# KiCad board safeproject-panel-r2.kicad_pcb (continued)
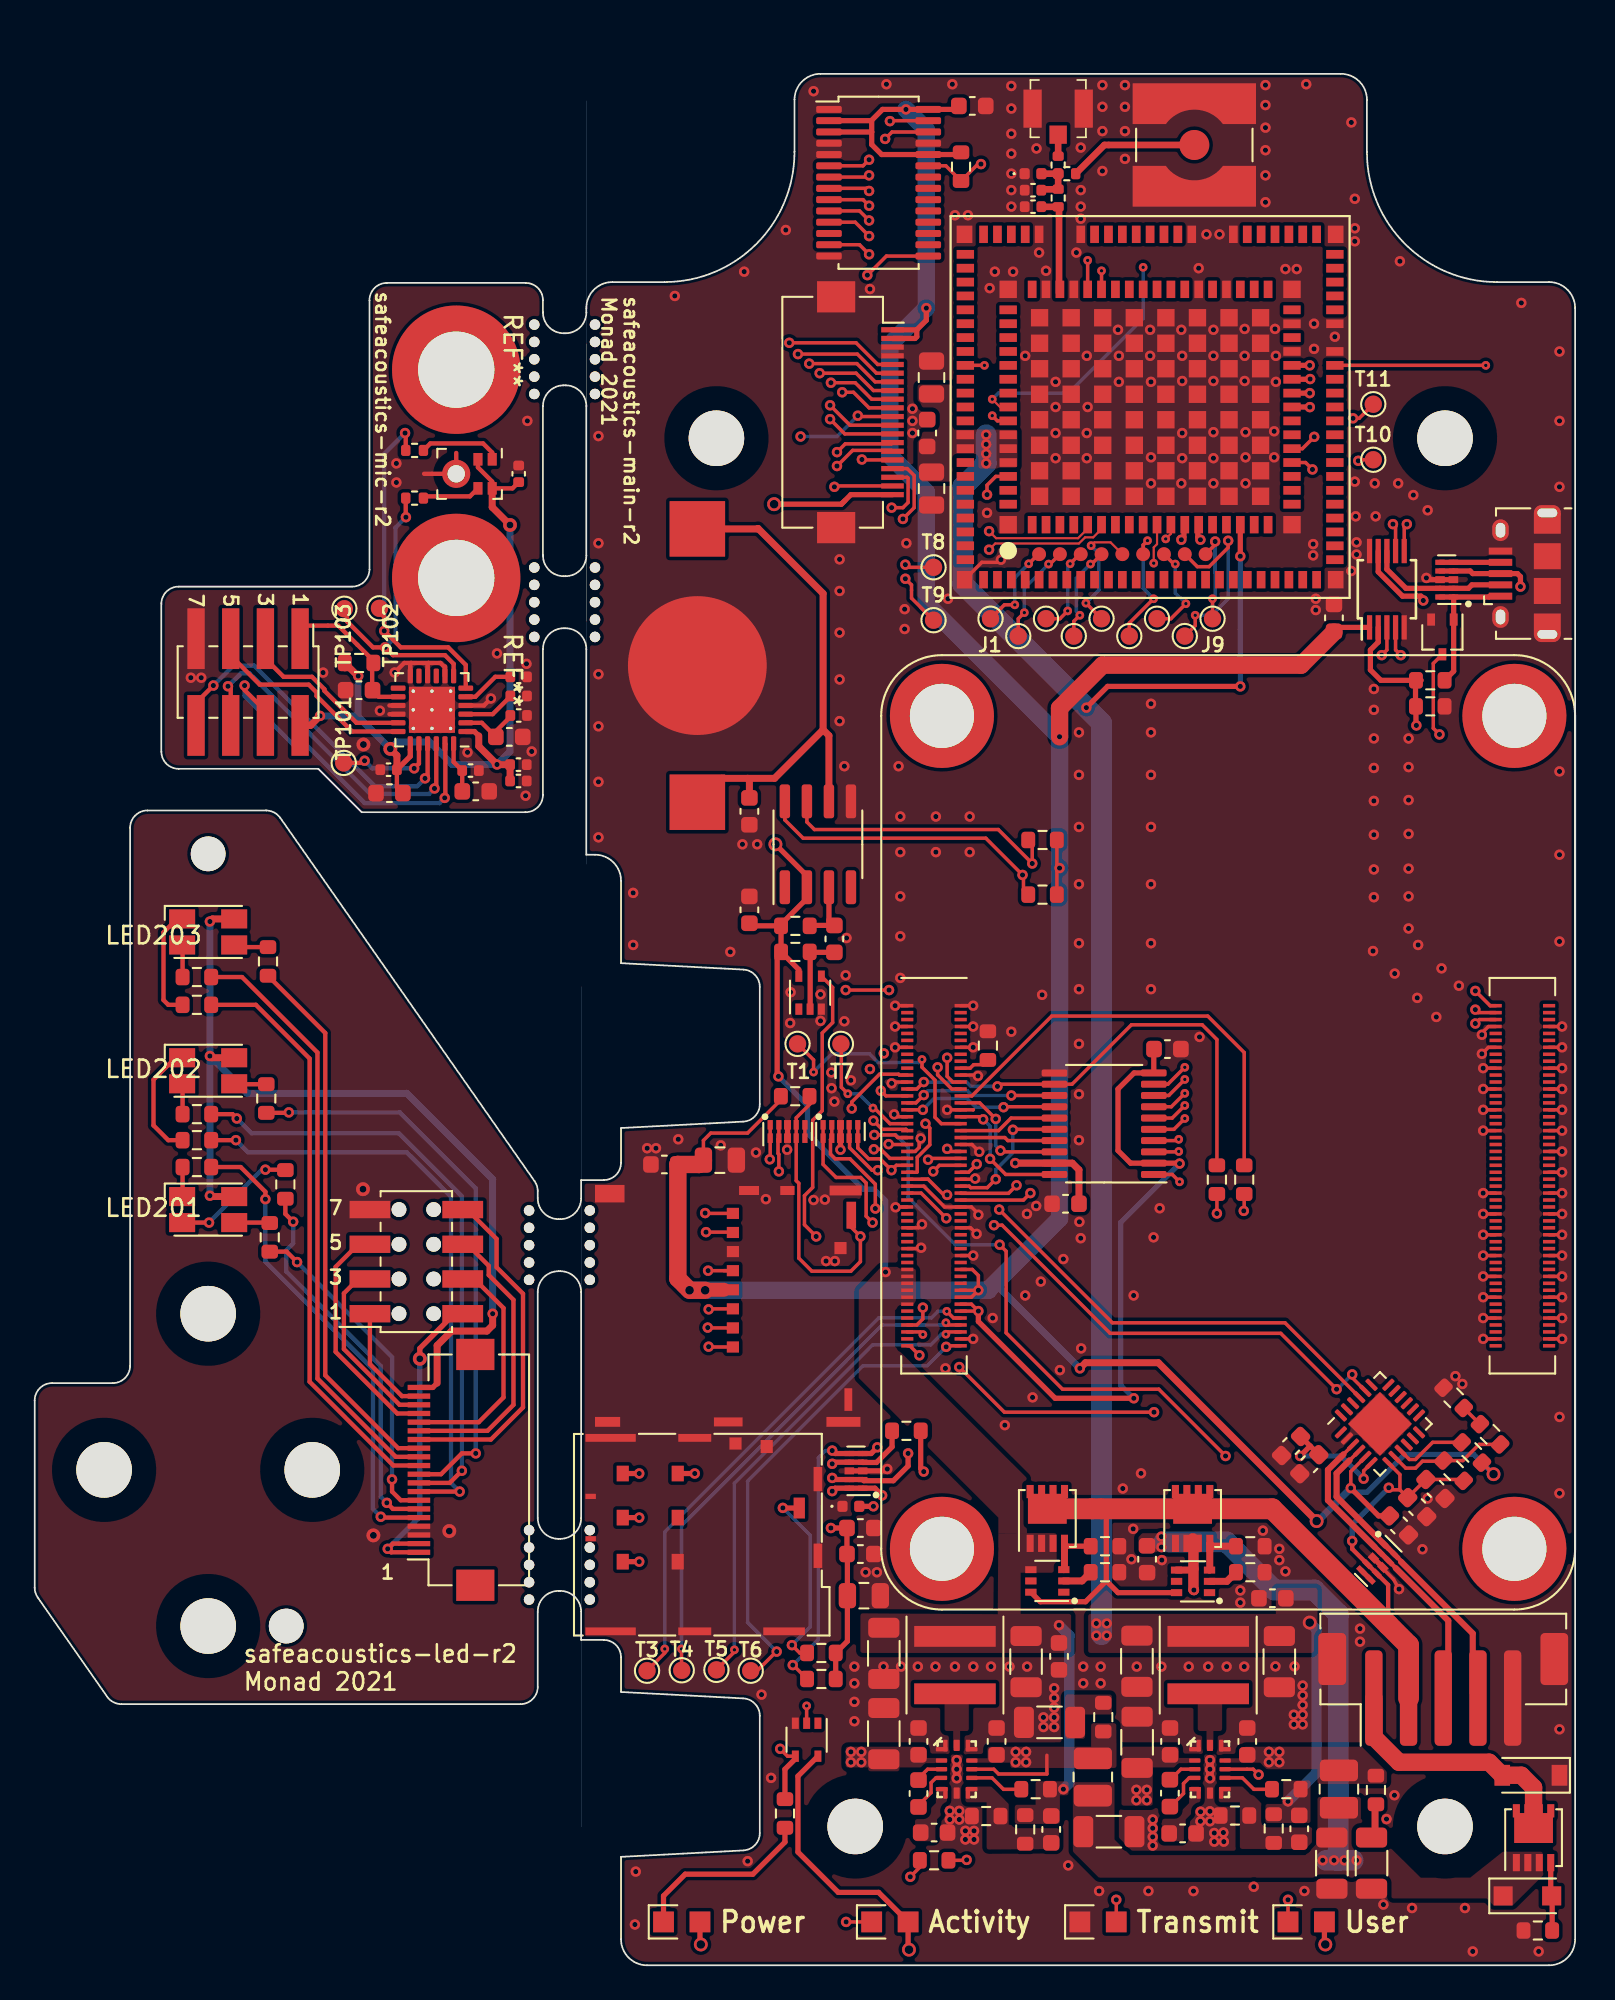
[diagram p0: board, top side]
## Routing (per net, layer and track width the routed paths; a pad name or vN(x,y) marks a point on that pad's centre or on a via; arc(x,y) is an arc through that point) (continued)
VBUS: length 57.3
  Top w0.2: 78.7,27.4 78.7,28.28 U12.7 ; 78.7,27.4 78.18,27.4 v1(78.06,27.52) ; 78.7,27.4 C40.1 80.2,28 C39.1 82.3,28 R25.1
  Top w0.25: v1(75.95,24.45) 75.95,23.99 U2.4 U2.4 78.02,21.92 78.02,19.62
  Top w0.3: U4.6 62.45,21.47 61.77,22.15 ; 61.77,22.15 60.58,20.95 57.98,20.95 U3.6 ; 61.77,22.15 61.77,26.01 61.48,26.31
  Top w0.8: 60.95,26.31 60.92,26.28
  Top w1.2: J10.2 79.2,18.44 71.34,26.31 Q2.5 Q1.5
  Bottom w0.3: v1(75.95,24.45) 75.95,25.41 v1(78.06,27.52)
/BCLK: length 85.1
  Top w0.2: J16.15 49.4,87.3 47.15,87.3 v1(46.25,86.4) ; v1(51.35,48.5) 51.6,48.25 51.6,47.29 50.88,46.56 50.88,45.73 50.85,45.7 Module1.49
  Top w0.25: U101.22 23.15,67.92 v1(23.05,67.82) ; v1(11.14,73.71) 11.3,73.55 J101.6 ; J201.6 24.94,41.55 26.18,40.31 26.18,39.77 27.6,38.35 27.6,32.3 26.1,30.8 J202.15
  In2.Cu w0.2: v1(51.35,48.5) 51.22,48.5 50.1,49.62 48.8,49.62 48.15,50.28 v1(48.15,51.65) 47.8,52 47.8,84.85 v1(46.25,86.4)
  Bottom w0.25: v1(11.14,73.71) 11.88,74.45 12.39,74.45 19.34,67.5 22.73,67.5 v1(23.05,67.82)
/BOOT_MODE: length 5.5
  Top w0.2: U9.17 56.1,47.53 55.92,47.7 Module1.40
/FSYNC: length 76.5
  Top w0.2: Module1.26 52.87,50.5 52.05,51.32 v1(52.05,51.75) ; J16.16 47.71,86.75 v1(47.68,86.78)
  Top w0.25: J201.4 25.35,39.55 27.03,37.87 27.03,32.73 25.6,31.3 J202.16 ; v1(23.64,67.28) 23.67,67.31 23.67,70.38 U101.23 ; v1(12.1,73.75) 12.1,73.49 13.3,72.29 J101.4
  In2.Cu w0.2: v1(52.05,51.75) 52.02,51.72 49.95,51.72 49.12,52.55 v1(48.95,52.55) 48.62,52.88 48.62,85.84 v1(47.68,86.78)
  Bottom w0.25: v1(23.64,67.28) 23.34,66.98 19.02,66.98 15.65,70.35 14.9,70.35 12.1,73.15 v1(12.1,73.75)
/GLOBAL_EN_o: length 27.1
  Top w0.2: v1(45.05,42) 44.37,42.68 44.37,44.35 44.85,44.83 44.85,48.7 45.4,49.25 45.4,53.72 46,54.33 46,56.35 U14.4 ; v1(51,35.15) 50.45,35.7 Module1.99
  In2.Cu w0.2: v1(45.05,42) 45.05,40.1 50,35.15 v1(51,35.15)
/LED1_B: length 19.1
  Top w0.25: R201.1 14.52,41.12 v1(15.13,40.52) ; v1(20.6,28) 20.6,27.3 21.1,26.8 J202.7
  Bottom w0.25: v1(20.6,28) 20.6,35.05 v1(15.13,40.52)
/LED1_G: length 22.3
  Top w0.25: R204.1 14.45,43.3 v1(14.9,42.85) ; v1(20.3,26.65) 20.65,26.3 J202.6
  Bottom w0.25: v1(20.3,26.65) 19.95,27 19.95,34.54 14.5,39.99 14.5,41.2 14.9,41.6 v1(14.9,42.85)
/LED1_R: length 27.4
  Top w0.25: J202.5 20,25.8 v1(19.95,25.85) ; R207.1 11.87,46 13.3,44.57 v1(13.3,44.15)
  Bottom w0.25: v1(19.95,25.85) 19.5,26.3 19.5,34.35 13.3,40.55 v1(13.3,44.15)
/LED2_B: length 32.9
  Top w0.25: J202.10 23.42,28.3 24.62,29.5 v1(25.43,29.5) ; R202.1 14.62,49.12 v1(14.65,49.15)
  Bottom w0.25: v1(14.65,49.15) 21.05,49.15 25.43,44.77 v1(25.43,29.5)
/LED2_G: length 35
  Top w0.25: v1(11.65,48.8) 11.4,49.05 R205.1 ; J202.9 23.93,27.8 v1(24.63,28.5)
  Bottom w0.25: v1(11.65,48.8) 12.5,47.95 20.99,47.95 24.63,44.31 v1(24.63,28.5)
/LED2_R: length 34.7
  Top w0.25: R208.1 v1(11.6,47.55) ; v1(24.5,27.3) J202.8
  Bottom w0.25: v1(11.6,47.55) 12.3,46.85 21.45,46.85 24,44.3 24,27.8 v1(24.5,27.3)
/LED3_B: length 31.5
  Top w0.25: 13.45,57.03 16.75,53.72 16.75,34 20.95,29.8 J202.13
/LED3_G: length 34.4
  Top w0.25: R206.1 11.95,56.95 16.3,52.6 16.3,33.81 20.81,29.3 J202.12
/LED3_R: length 33.9
  Top w0.25: R209.1 12.75,55.35 15.85,52.25 15.85,33.63 20.68,28.8 J202.11
/LED driver, LED board connections/LED1_B: length 19
  Top w0.2: U17.8 47.95,102.4 v1(48.1,102.25) ; J16.7 48.45,91.25 47.4,92.3 v1(44.65,92.3)
  In2.Cu w0.2: v1(48.1,102.25) 45.42,99.57 45.42,93.07 v1(44.65,92.3)
/LED driver, LED board connections/LED1_G: length 20.3
  Top w0.2: v1(48.1,103.15) 48,103.05 U17.7 ; v1(44,92.85) 47.42,92.85 48.53,91.75 J16.6
  In2.Cu w0.2: v1(48.1,103.15) 45.1,100.15 45.1,93.95 v1(44,92.85)
/LED driver, LED board connections/LED1_R: length 21.4
  Top w0.2: U17.6 47.75,103.7 v1(48.1,104.05) ; v1(43.5,93.5) 47.35,93.5 48.6,92.25 J16.5
  In2.Cu w0.2: v1(43.5,93.5) 44.77,94.77 44.77,100.72 v1(48.1,104.05)
/LED driver, LED board connections/LED2_B: length 15.6
  Top w0.2: U17.11 47.3,100.45 v1(48.1,99.65) ; v1(46.55,90.65) 47.2,90.65 48.1,89.75 J16.10
  In2.Cu w0.2: v1(46.55,90.65) 46.55,98.1 v1(48.1,99.65)
/LED driver, LED board connections/LED2_G: length 16.7
  Top w0.2: v1(48.1,100.55) 47.55,101.1 U17.10 ; J16.9 48.25,90.25 47.3,91.2 v1(45.9,91.2)
  In2.Cu w0.2: v1(48.1,100.55) 46.1,98.55 46.1,91.4 v1(45.9,91.2)
/LED driver, LED board connections/LED2_R: length 17.9
  Top w0.2: U17.9 47.75,101.75 v1(48.1,101.4) ; v1(45.25,91.75) 47.35,91.75 48.35,90.75 J16.8
  In2.Cu w0.2: v1(48.1,101.4) 45.75,99.05 45.75,92.25 v1(45.25,91.75)
/LED driver, LED board connections/LED3_B: length 17.4
  Top w0.2: U17.15 49.1,98.5 v1(48,97.4) ; J16.13 46.7,88.25 v1(45.85,89.1)
  In2.Cu w0.2: v1(48,97.4) 47.55,96.95 47.55,90.35 46.3,89.1 v1(45.85,89.1)
/LED driver, LED board connections/LED3_G: length 16.7
  Top w0.2: U17.13 47.55,99.15 v1(48.1,98.6) ; J16.12 47,88.75 v1(45.85,89.9)
  In2.Cu w0.2: v1(45.85,89.9) 46.6,89.9 47.15,90.45 47.15,97.65 v1(48.1,98.6)
/Modem/RF_ANT: length 1.3
  Top w0.38: 59,104.25 59,105.44
  Top w0.4: 59,105.44 58.95,105.5
/Modem/RF_MAIN: length 5.7
  Top w0.38: C20.1 58.04,101.34 R20.2 ; 59.05,96.37 59.05,101.14
/Modem/RF_TEST: length 7.5
  Top w0.38: R18.1 61.67,104.9 J11.1
/Modem/UIM_CLK: length 79.5
  Top w0.3: 72.43,90.6 v1(73.5,90.6) ; v1(51.25,28.45) 51.08,28.62 R23.1
  In2.Cu w0.3: v1(51.25,28.45) 63.1,40.3 63.1,88.2 64.55,89.65 72.55,89.65 v1(73.5,90.6)
/Modem/UIM_CLK_R: length 17.9
  Top w0.3: v1(34.85,28.34) 34.85,28.34 33.89,28.34 ; R23.2 49.42,29.88 48.53,28.97 47.75,28.97 U8.4 U8.4 46.07,28.99 v1(45.97,28.9)
  In2.Cu w0.3: v1(34.85,28.34) 35.81,27.38 41.13,27.38 42.65,28.9 v1(45.97,28.9)
/Modem/UIM_DATA: length 107.6
  Top w0.2: v1(43.7,17.3) 43.72,17.3 R22.1
  Top w0.3: v1(73.53,91.41) 73.51,91.4 72.43,91.4 ; 37.06,28.34 v1(38.05,28.34) ; v1(48.58,29.85) 48.22,29.49 U8.5 U8.5 46.14,29.49 v1(45.97,29.66)
  In2.Cu w0.3: v1(73.53,91.41) 73.31,91.41 72.03,90.12 64.02,90.12 62.55,88.65 62.55,40.7 50.5,28.65 50.08,28.65 48.88,29.85 v1(48.58,29.85) ; v1(38.05,28.34) 41.24,28.34 42.56,29.66 v1(45.97,29.66)
  Bottom w0.2: v1(43.7,17.3) 45.17,18.78 45.17,29.25 45.59,29.66 v1(45.97,29.66)
/Modem/UIM_RESET_N: length 96.8
  Top w0.3: 72.43,92.2 v1(73.5,92.2) ; 33.89,25.8 34.85,25.8 v1(34.85,25.8) ; v1(50.35,29.5) 50.35,28.78 49.5,27.92 47.8,27.92 U8.2 U8.2 46.07,27.99 v1(45.97,28.09)
  In2.Cu w0.3: v1(50.35,29.5) 62,41.15 62,89.1 63.5,90.6 71.9,90.6 v1(73.5,92.2) ; v1(34.85,25.8) 40.45,25.8 42.74,28.09 v1(45.97,28.09)
/Modem/UIM_SIM_DET: length 91.4
  Top w0.2: 43.67,18.42 v1(43.65,18.45) 44.1,18 R21.1 ; U7.64 55.4,85.8 54.9,85.3 v1(54.9,84.75)
  Top w0.3: v1(43.13,26.36) 43.14,26.35 44.06,26.35 ; D6.2 v1(48.35,26.45) 48.25,26.45
  In2.Cu w0.3: v1(43.13,26.36) 43.22,26.45 v1(48.35,26.45) 47.4,27.4 47.4,30.05 48.42,31.08 50.97,31.08 61.45,41.55 61.45,84.25 60.95,84.75 v1(54.9,84.75)
  Bottom w0.2: v1(43.13,26.36) 44.7,24.79 44.7,19.5 v1(43.65,18.45)
/Modem/UIM_VCC: length 111.8
  Top w0.3: C26.1 v1(45.9,25.2) ; v1(73.51,89.79) 73.5,89.8 72.43,89.8 ; 33.89,23.26 34.85,23.26 v1(34.85,23.26) ; v1(45.97,27.32) 46.14,27.49 U8.1 U8.1 48.44,27.49 v1(48.85,27.08) ; 46.83,24.98 C28.1 46.85,23.67 C24.1 46.85,18.67 R21.2 R22.2
  In2.Cu w0.3: v1(48.85,27.08) 50.88,27.08 63.62,39.83 63.62,87.72 64.95,89.05 72.76,89.05 v1(73.51,89.79) ; v1(45.97,27.32) 45.9,27.4 42.95,27.4 41.77,26.22 41.77,24.58 ; v1(34.85,23.26) 36.17,24.58 41.77,24.58 ; v1(45.9,25.2) 45.28,24.58 41.77,24.58
/MODEM_USB_DN: length 18.5
  Top w0.2: U15.6 78.95,82.9 v1(79.1,83.05)
  Top w0.3: v1(66.1,82.15) 66.25,82.3 66.25,83.02
  In2.Cu w0.372: v1(66.1,82.15) 66.36,82.41 66.36,83.77 67.28,84.69 78.27,84.69 78.99,83.97 78.99,83.16 v1(79.1,83.05)
/MODEM_USB_DP: length 16.6
  Top w0.2: v1(78.3,83.05) 78.45,82.9 U15.7
  Top w0.3: v1(67.2,82.15) 67.05,82.3 67.05,83.02
  In2.Cu w0.372: v1(78.3,83.05) 78.41,83.16 78.41,83.73 78.03,84.11 67.52,84.11 66.94,83.53 66.94,82.41 v1(67.2,82.15)
/nLEDS_ENABLE: length 83.1
  Top w0.2: v1(52.6,47.05) 52.75,46.9 Module1.44 ; v1(49.25,56.2) v1(46.75,56.2) ; v1(54.55,103.8) 54.38,103.8 R33.1 52.53,103.7 U17.23
  In2.Cu w0.2: v1(46.75,56.2) 46.05,56.2 44.9,57.35 44.9,90.65 42.75,92.8 42.75,98.1 44.2,99.55 44.2,105.3 46.65,107.75 50.6,107.75 v1(54.55,103.8) ; v1(52.6,47.05) 53.15,47.6 53.15,52.55 49.5,56.2 v1(49.25,56.2)
/nPWR_LED: length 94.9
  Top w0.2: v1(47.45,89.3) 47.5,89.25 J16.11 ; v1(42.97,12.47) 43.4,12.05 U1.4
  Top w0.3: R5.1 43.25,11.3 43.85,11.9 U1.4
  In2.Cu w0.2: v1(42.97,12.47) 42.97,15.55 41.55,16.97 39.28,16.97 33.45,22.81 33.45,40.2 44.15,50.9 v1(44.15,88.1)
  Bottom w0.2: v1(44.15,88.1) 46.25,88.1 v1(47.45,89.3)
/nPWR_LED_BUF: length 43.4
  Top w0.2: U1.2 v4(44.5,14.95) ; v4(51.2,36.35) 51.05,36.5 Module1.95
  In2.Cu w0.2: v4(44.5,14.95) 44.5,15.28 38.4,21.38 35.8,21.38 34.1,23.08 34.1,29.17 39.55,34.62 51.25,34.62 51.58,34.95 51.58,35.97 v4(51.2,36.35)
/nRPIBOOT: length 80.9
  Top w0.2: Module1.93 50.85,36.9 51.2,37.25 v1(51.2,37.9) ; v1(80.98,70.93) 80.63,71.29 80.63,75.03 Q4.3 ; v1(53.3,34.47) 55.9,31.88 v1(64.53,31.88)
  In2.Cu w0.2: v1(53.3,34.47) 52.66,35.11 52.29,35.11 51.99,35.41 51.99,37.11 v1(51.2,37.9)
  In2.Cu w0.3: v1(64.53,31.88) 67.25,34.6 67.25,44.08 69.62,46.45 82.92,46.45 85.5,49.03 85.5,66.41 v1(80.98,70.93)
/Power and input connector/IN_VIN: length 15
  Top w1: Q3.5 86.41,10.24 85.7,10.95 D4.2 83.85,11.7 78.65,11.7 77.2,13.15 J10.1
  Top w1.2: 86.4,7.92 Q3.5
/POWER_ON_N: length 7.9
  Top w0.2: Module1.34 54.53,48.9 v1(54.67,48.75) ; U9.20 55.97,45.58 v1(55.08,46.47)
  Bottom w0.2: v1(55.08,46.47) 55.08,48.35 v1(54.67,48.75)
/RESET_IN_N: length 7.5
  Top w0.2: v1(55.67,46.95) 55.75,46.88 U9.18 ; v1(55.4,48.78) 54.47,49.7 Module1.30
  Bottom w0.2: v1(55.4,48.78) 55.4,47.22 v1(55.67,46.95)
/RESET_OUT_N: length 5.7
  Top w0.2: Module1.38 55.56,48.1 56.29,48.83 U9.15
/RTC/n_RTC_INT: length 3.8
  Top w0.3: R29.2 44.7,59.92 C36.2 45.78,60.24 45.78,62.12
/RXD: length 31.6
  Top w0.2: 52.6,44.4 v1(52.6,44.4) 52.4,44.4 51.5,45.3 ; 51.5,45.3 Module1.51 ; 51.5,45.3 51.12,45.3 ; U12.21 72.08,37.03 62.12,37.03 v1(55.6,43.55)
  In2.Cu w0.2: v1(55.6,43.55) 54.75,44.4 v1(52.6,44.4)
/SAFE_PWR_REMOVE: length 9
  Top w0.2: v1(51.2,49.3) Module1.31 ; v1(55.85,49.45) 55.88,49.47 U9.14
  Bottom w0.2: v1(51.2,49.3) 51.85,49.95 53.75,49.95 54.25,49.45 v1(55.85,49.45)
/SCL: length 115.5
  Top w0.2: 57.28,61.7 57,61.97 57,62.78 v1(56.95,62.83) 54.83,64.95 44.3,64.95 43.25,66 U13.8 ; U17.26 49.42,105.65 v1(49.03,105.25) ; v1(56.6,44.95) 56.14,44.49 53.39,44.49 Module1.56 ; J16.18 50.3,85.75 50.35,85.7 50.35,84.3 50.05,84 v1(49.4,84)
  Top w0.25: J202.18 21.04,32.3 17.82,35.51 17.82,38.72 18.65,39.55 J201.3 ; J101.3 13.3,75.3 14.35,74.25 15.99,74.25 16.7,73.54 16.7,73.45 18.55,71.6 U101.17 ; 13.3,76.35 13.3,77.08
  In2.Cu w0.2: v1(49.03,105.25) 48.78,105 48.78,87.62 ; 48.78,87.62 49.4,87 v1(49.4,84) 49.02,83.62 49.02,76.14 49.48,75.69 53.65,75.69 56.95,72.38 v1(56.95,62.83) 57.05,62.73 57.05,45.4 v1(56.6,44.95) ; 48.78,87.62 48.85,87.55
/SD_CLK: length 24.1
  Top w0.2: v1(48.6,45.82) 48.27,45.82 46.98,47.11 46.98,47.64 46.95,47.67 U10.4 ; 39.72,40.03 J14.5 v1(38.82,40.03) 38.8,40.05 ; Module1.46 51.57,46.5 v1(51.5,46.43)
  In2.Cu w0.2: 38.84,40.05 v1(38.82,40.03) 39.6,40.81 39.6,43.1 41.63,45.13 47.91,45.13 v1(48.6,45.82) 49.21,46.43 v1(51.5,46.43)
/SD_CMD: length 22.4
  Top w0.2: U10.5 47.45,47.1 48.07,46.47 48.74,46.47 v1(49.39,45.82) 49.67,46.1 Module1.47 ; J14.3 38.88,37.83 v1(38.85,37.8)
  In2.Cu w0.2: v1(38.85,37.8) 40.08,39.03 40.08,42.92 41.94,44.78 48.35,44.78 v1(49.39,45.82)
/SD_DAT0: length 19.2
  Top w0.2: v1(38.7,42.25) 40.23,42.25 J14.7 ; Module1.45 49.3,46.5 48.78,47.03 v1(48.38,47.03) ; v1(42.37,46.45) 42.4,46.47 U11.1
  In2.Cu w0.2: v1(48.38,47.03) 47.8,46.45 v1(42.37,46.45) 42.13,46.2 40.66,46.2 37.9,43.44 37.9,43.05 v1(38.7,42.25)
/SD_DAT1: length 17.8
  Top w0.2: v1(49.23,47.32) 49.25,47.3 Module1.41 ; U11.2 42.9,47.67 42.85,47.61 42.85,46.78 42.9,46.73 v1(42.9,45.75) ; v1(38.65,43.35) 38.67,43.33 J14.8
  In2.Cu w0.2: v1(49.23,47.32) 49.23,47.1 48.63,46.5 48.53,46.5 47.78,45.75 v1(42.9,45.75) 41.05,45.75 v1(38.65,43.35)
/SD_DAT2: length 37.1
  Top w0.2: v1(52.6,52.3) 52.6,51.22 52.92,50.9 Module1.24 ; U10.1 45.45,46.15 46.2,45.4 47.62,45.4 47.93,45.09 47.93,43.17 v1(48.3,42.8) ; J14.1 38.87,35.63 v1(38.85,35.65)
  In2.Cu w0.2: 48.35,43 49.96,43 52.33,45.36 52.33,46 52.03,46.3 52.03,50.05 52.6,50.62 v1(52.6,52.3) ; 48.35,43 44.42,43 41.1,39.68 41.1,37.9 v1(38.85,35.65) ; 48.35,43 48.3,42.95 v1(48.3,42.8)
/SD_DAT3: length 28.7
  Top w0.2: v1(38.8,36.75) 38.82,36.73 J14.2 ; Module1.48 52.15,46.1 v1(51.8,45.75) ; U10.2 45.95,47.67 45.87,47.59 45.87,46.75 46.15,46.47 47,46.47 48.46,45.01 v1(48.46,43.61)
  In2.Cu w0.2: v1(51.8,45.75) 50.6,45.75 v1(48.46,43.61) 48.3,43.45 41.48,43.45 40.59,42.56 40.59,38.54 v1(38.8,36.75)
/SD_nDET: length 26.6
  Top w0.2: Module1.50 53.83,45.7 v1(54.31,46.17) ; v1(47.6,42) 47.08,42.53 J14.DSW1 ; v1(47.6,42) 47.6,40.55 47.05,40 44.8,40 44.05,40.75 44.05,45.07 43.9,45.22 U11.4 43.9,48.84 44.84,49.78 44.84,50.24 ; v1(47.6,42) 47.67,42.07 47.7,42.07
  In2.Cu w0.2: v1(47.6,42) 49.42,42 53.59,46.17 v1(54.31,46.17)
/SDA: length 122.1
  Top w0.2: J16.17 50.3,86.25 50.7,85.85 50.7,84 v1(50.05,83.35) ; 57.28,64.85 57.51,64.62 v1(57.51,63.49) 55.55,65.45 44.95,65.45 44.52,65.89 U13.7 ; v1(57.4,44.5) 57,44.1 Module1.58 ; U17.27 49.33,106.3 v1(49.3,106.28)
  Top w0.25: U101.18 18.3,71.1 16.25,73.15 16.25,73.35 15.8,73.8 12.98,73.8 11.3,75.48 J101.5 ; J201.5 18.65,41.55 17.35,40.25 17.35,35.35 20.9,31.8 J202.17
  In2.Cu w0.2: v1(49.3,106.28) 50.05,105.53 v1(50.05,83.35) 50.05,82.91 49.45,82.31 49.45,76.48 49.73,76.19 54.81,76.19 57.51,73.5 57.51,44.61 v1(57.4,44.5)
/SDOUT: length 83.2
  Top w0.2: J16.14 49.37,87.67 46.72,87.67 v1(46.25,87.2) ; v1(48.78,50.4) 49.08,50.1 Module1.27
  Top w0.25: J101.8 9.3,72.75 v1(10.3,73.75) ; J202.14 26.3,30.3 28.15,32.15 28.15,38.7 26.63,40.22 26.63,41.86 24.94,43.55 J201.8 ; U101.21 22.65,68.55 v1(22.5,68.4)
  In2.Cu w0.2: v1(48.78,50.4) 48.78,51.92 48.21,52.49 48.21,85.24 v1(46.25,87.2)
  Bottom w0.25: v1(10.3,73.75) 11.45,74.9 12.65,74.9 19.6,67.95 22.05,67.95 v1(22.5,68.4)
/SHDNZ: length 58
  Top w0.2: J16.19 46.15,85.25 v1(46.1,85.2) ; v1(48.35,48.67) 48.85,48.17 50.23,48.17 Module1.37
  Top w0.25: J201.1 19.33,34.65 21.17,32.8 J202.19 ; 15.3,77.08 15.42,77.2 17.5,77.2 19.53,75.17 19.53,75.05 19.45,74.97 19.45,73.48 19.84,73.1 U101.14
  In2.Cu w0.2: v1(46.1,85.2) 47.4,83.9 47.4,51.53 47.75,51.18 47.75,49.28 v1(48.35,48.67)
/TX_ON: length 27.2
  Top w0.2: Module1.25 50.85,50.5 v1(51.25,50.9) ; v1(55.5,50.65) 55.62,50.78 U9.12 59.8,50.78 63.22,54.2 67.3,54.2 68.15,53.35 R6.1
  Bottom w0.2: v1(51.25,50.9) 53.72,50.9 53.97,50.65 v1(55.5,50.65)
/TXD: length 31.9
  Top w0.2: Module1.55 51.1,44.5 v1(52.55,43.05) ; v1(75.05,33.2) 71.83,36.42 62,36.42 55.77,42.65 v1(55.3,42.65) ; v1(75.95,34.05) 75.95,33.86 U12.20
  In2.Cu w0.2: v1(55.3,42.65) 55.28,42.67 52.93,42.67 v1(52.55,43.05)
  Bottom w0.2: v1(75.95,34.05) 75.1,33.2 v1(75.05,33.2)
/USB-OTG flashing interface/OTG_USB_DN: length 7.5
  Top w0.3: U15.8 77.95,80.45 79.05,79.35 U16.2 82.65,79.35 82.85,79.55 83.88,79.55
/USB-OTG flashing interface/OTG_USB_DP: length 16.3
  Top w0.3: U16.4 82.75,80.35 82.9,80.2 83.88,80.2 ; 80.04,78.77 79.92,78.9 78.85,78.9 77.45,80.3 U15.9 ; J15.3 85.47,80.2 85.65,80.03 v1(85.65,79.45)
  In2.Cu w0.3: v1(85.65,79.45) 84.45,79.45 82.6,77.6 80.65,77.6 80.05,78.2 v1(80.05,78.65) 80.1,78.6
/USB-UART bridge/CP2102_VDD: length 7.6
  Top w0.2: v1(76.61,28.04) 76.61,28.49 U12.6
  Top w0.3: 73.53,29.92 74.03,29.42 ; 73.53,29.92 72.97,30.47 ; 73.53,29.92 v1(72.95,29.35)
  Bottom w0.3: v1(76.61,28.04) 75.3,29.35 v1(72.95,29.35)
/USB_DN: length 25.9
  Top w0.2: U15.4 78.45,75.8 v1(78.75,75.5) ; v1(83.05,55.07) 83.22,54.9 Module1.103
  In2.Cu w0.372: v1(83.05,55.07) 82.92,54.94 82.51,54.94 78.5,58.95 ; v1(78.75,75.5) 78.49,75.24 78.49,58.97
/USB_DP: length 26.8
  Top w0.2: Module1.105 83.28,54.5 v1(83.05,54.27) ; U15.3 77.95,75.8 v1(77.65,75.5)
  In2.Cu w0.372: 77.93,58.71 82.27,54.37 82.95,54.37 v1(83.05,54.27) ; 77.91,58.73 77.91,75.24 v1(77.65,75.5)
/USB_OTG_ID: length 26.7
  Top w0.2: Module1.101 83.9,55.3 v1(83.05,56.15)
  Top w0.3: v1(79.65,71.45) 79.62,71.47 R32.1 79.6,72.58 79.6,74.03 R31.1 ; 79.92,74.05 77.6,74.05 77,74.65 77,75.8 77.45,76.25 U15.2
  In2.Cu w0.3: v1(79.65,71.45) 79.65,71.15 83.05,67.75 v1(83.05,56.15)
/USB_UART_DN: length 18.3
  Top w0.2: U12.4 76.35,29.65 75.8,29.1
  Top w0.25: U2.1 78.87,23.19
  Top w0.3: U2.1 U2.1
  Top w0.35: 77.87,24.18 75.05,27 75.05,28.35 75.8,29.1 ; 78.76,23.26 82.9,19.12 82.9,15.7 J10.4
/USB_UART_DP: length 18.4
  Top w0.125: 77.26,24.1 77.25,24.1
  Top w0.2: 75.45,29.45 76,30 U12.3 ; 78.59,22.77 78.59,22.76
  Top w0.25: U2.2 78.59,22.77
  Top w0.3: U2.2 U2.2 77.26,24.1
  Top w0.35: J10.3 81.49,15.69 81.49,19.86 78.46,22.89 ; 77.25,24.1 74.55,26.8 74.55,28.55 75.45,29.45
/WAKE: length 7.9
  Top w0.2: U9.16 56.42,48.17 v1(56.39,48.15) ; Module1.54 53.87,44.9 53.96,44.81 54.91,44.81 v1(55.4,45.3)
  Bottom w0.2: v1(55.4,45.3) 55.4,45.85 56.39,46.84 v1(56.39,48.15)
/WAKE_ON_WWAN: length 8.9
  Top w0.2: Module1.29 50.8,49.7 v1(51.25,50.15) ; v1(56.3,50.12) U9.13
  Bottom w0.2: v1(56.3,50.12) 54.04,50.12 53.76,50.4 51.5,50.4 v1(51.25,50.15)
Net-(BT1-Pad1): length 31.1
  Top w0.4: BT1.1 41.67,82.78 41.7,82.8 45.45,79.05 45.45,71.2 ; 45.45,71.2 42.65,68.4 41.1,68.4 ; 45.45,71.2 45.78,70.87 45.78,67.08 ; C34.1 41.2,68.3 41.1,68.4 ; 41.1,68.4 39.58,68.4 BT1.1
Net-(C2-Pad2): length 3
  Top w0.25: C102.2 26.55,74.25 25.4,73.1 U101.5
Net-(C3-Pad2): length 3
  Top w0.25: C103.2 27.42,73.12 26.4,72.1 U101.3
Net-(C4-Pad2): length 3.6
  Top w0.25: 27.42,71.95 26.59,71.12 C104.2 25.77,71.6 U101.2
Net-(C8-Pad2): length 3
  Top w0.25: U101.24 24.15,69.34 C109.2 24.65,67.66 C108.2
Net-(C9-Pad1): length 1.7
  Top w0.2: 50.85,10.67 51.47,11.3 U5.3
Net-(C9-Pad2): length 2.5
  Top w0.2: U5.4 51.95,10.8 51.67,10.53 51.67,9.95 50.85,9.12
Net-(C10-Pad1): length 2.5
  Top w0.2: U6.4 66.55,10.8 66.23,10.48 66.23,9.9 65.45,9.12
Net-(C10-Pad2): length 1.7
  Top w0.2: 65.45,10.67 66.08,11.3 U6.3
Net-(C19-Pad2): length 2.8
  Top w0.38: 59,102.34 58.04,102.34 ; 58.04,102.36 58.03,102.34 ; D9.2 R18.2 ; R20.1 R19.2
Net-(C36-Pad1): length 4.7
  Top w0.3: U14.2 44.7,55.1 44.7,58.37 R30.2 44.7,58.38 C36.1
Net-(C45-Pad1): length 2
  Top w0.4: R36.2 77.27,9.23 77.27,7.56 C45.1
Net-(D1-Pad1): length 8.1
  Top w0.2: R4.2 51.03,5.65 v1(50.47,5.1) ; v1(46.78,2.5) D1.1
  In2.Cu w0.2: v1(50.47,5.1) 49.78,4.4 47.45,4.4 46.78,3.72 v1(46.78,2.5)
Net-(D2-Pad1): length 10.6
  Top w0.3: D2.1 36.25,4 37.5,5.25 41.4,5.25 43.25,7.1 R5.2
Net-(D3-Pad2): length 44.4
  Top w0.2: R6.2 v1(68.15,43.33) ; v1(62.35,3.78) D3.2
  In2.Cu w0.3: v1(62.35,3.78) 62.65,4.07 62.65,25.88 68.15,31.38 v1(68.15,43.33)
Net-(D5-Pad2): length 3.9
  Top w0.3: Q3.4 87.4,4.05 D5.2 87.48,3.97 R11.1
Net-(D7-Pad1): length 48.5
  Top w0.2: v1(69.7,43.47) 69.72,43.5 R34.2 ; v1(72.25,3.78) D7.1
  In2.Cu w0.3: v1(72.25,3.78) 68.25,3.78 65.9,6.12 65.9,27.95 69.7,31.75 v1(69.7,43.47)
Net-(J1-Pad1): length 5.3
  Top w0.2: J1.1 55.9,78.4 v4(56.5,78.4) ; U7.236 57.86,81.32 v4(57.3,80.77)
  Bottom w0.2: v4(56.5,78.4) 56.5,79.96 v4(57.3,80.77)
Net-(J2-Pad1): length 5.8
  Top w0.2: J2.1 56.7,77.6 v4(57.05,77.95) ; v4(58.45,80.75) 58.53,80.75 U7.237
  Bottom w0.2: v4(57.05,77.95) 57.05,79.35 v4(58.45,80.75)
Net-(J3-Pad1): length 5
  Top w0.2: v4(59.69,80.77) 60.24,81.32 U7.238 ; J3.1 59.1,77.6 v4(59.55,78.05)
  Bottom w0.2: v4(59.55,78.05) 59.55,80.63 v4(59.69,80.77)
Net-(J4-Pad1): length 5.6
  Top w0.2: U7.239 60.93,80.75 v4(60.86,80.75) ; J4.1 59.9,77.45 v4(60.25,77.8)
  Bottom w0.2: v4(60.25,77.8) 60.05,78 60.05,79.94 v4(60.86,80.75)
Net-(J5-Pad1): length 7.2
  Top w0.125: v4(60.9,81.81) 61.09,82 62.02,82 U7.240
  Top w0.2: J5.1 v4(60.6,78.5)
  Bottom w0.2: v4(60.9,81.81) 61.35,81.36 61.35,79.25 v4(60.6,78.5)
Net-(J6-Pad1): length 7.3
  Top w0.2: v4(64.5,78.75) 63.1,77.35 J6.1 ; v4(64.15,82.1) 63.9,81.85 U7.241
  Bottom w0.2: v4(64.5,78.75) 63.9,79.35 63.9,81.85 v4(64.15,82.1)
Net-(J7-Pad1): length 5.4
  Top w0.2: U7.242 65.67,80.75 v4(65.75,80.75) ; J7.1 65.5,77.6 v4(66.36,78.47)
  Bottom w0.2: v4(66.36,78.47) 65.75,79.08 v4(65.75,80.75)
Net-(J8-Pad1): length 10.7
  Top w0.2: v1(68.8,82.09) 68.8,81.7 67.7,80.6 67.02,80.6 U7.243 ; v4(66.9,77.8) 66.9,77.2 J8.1
  Bottom w0.2: v1(68.8,82.09) 68.8,78.75 67.85,77.8 v4(66.9,77.8)
Net-(J9-Pad1): length 7.3
  Top w0.2: v1(68.05,82.05) 68.05,81.87 U7.244 ; J9.1 v4(67.9,78.75)
  Bottom w0.2: v4(67.9,78.75) 68.05,78.9 v1(68.05,82.05) 68.05,80.2
Net-(J15-Pad1): length 7.9
  Top w0.3: R31.2 81.8,74.58 81.8,78.84 81.78,78.85 ; U16.1 81.78,78.85 ; 81.78,78.85 83.83,78.85 83.88,78.9
Net-(J15-Pad4): length 3.5
  Top w0.3: J15.4 U16.5
Net-(LED1-Pad1): length 1.7
  Top w0.25: R207.2 8.52,44.33 LED201.1
Net-(LED1-Pad3): length 2.1
  Top w0.25: R201.2 13.52,42.8 LED201.3
Net-(LED1-Pad4): length 7.2
  Top w0.25: v1(13.3,45.85) 14.42,45.85 R204.2 ; LED201.4 v1(10.05,42.8)
  Bottom w0.25: v1(10.05,42.8) 13.1,45.85 v1(13.3,45.85)
Net-(LED2-Pad1): length 6.8
  Top w0.25: R208.2 7.7,47.55 6.85,48.4 6.85,51.04 8.11,52.3 LED202.1
Net-(LED2-Pad3): length 1.9
  Top w0.25: R202.2 11.52,50.78 LED202.3
Net-(LED2-Pad4): length 1.8
  Top w0.25: R205.2 8.52,50.78 LED202.4
Net-(LED3-Pad1): length 6.5
  Top w0.25: LED203.1 8.2,60.3 7.42,59.52 7.42,55.63 7.7,55.35 R209.2
Net-(LED3-Pad3): length 2
  Top w0.25: R203.2 11.63,58.67 LED203.3
Net-(LED3-Pad4): length 1.9
  Top w0.25: LED203.4 8.52,58.78 R206.2
Net-(MIC1-Pad1): length 4.9
  Top w0.25: 26.37,86.62 MIC101.1 26.37,87.17 25.85,87.7 22.81,87.7 R101.1
Net-(MIC1-Pad4): length 3.4
  Top w0.25: R102.1 22.51,84.65 25.09,84.65 MIC101.4
Net-(Module1-Pad20): length 1.8
  Top w0.2: Module1.20 53.93,51.7 54.13,51.9 54.67,51.9 R3.1
Net-(Module1-Pad21): length 69.7
  Top w0.2: v1(53.72,6.07) 53.7,6.05 R4.1 ; Module1.21 49.85,51.3 49.8,51.35 48.7,51.35 47.1,49.75 v1(47.1,49.38)
  In2.Cu w0.2: 41.85,47.85 46.62,47.85 47.1,48.33 v1(47.1,49.38) ; 41.85,47.85 41.9,47.85 ; 41.85,47.85 41.65,47.85 33.77,39.97 33.77,22.94 39.32,17.4 41.71,17.4 43.62,15.49 43.62,13.88 46.33,11.17 49.25,11.17 51.12,9.3 51.12,6.65 51.7,6.07 v1(53.72,6.07)
Net-(Module1-Pad28): length 25.6
  Top w0.2: R34.1 69.72,52.6 67.62,54.7 58.62,54.7 54.03,50.1 Module1.28
Net-(Module1-Pad35): length 7.2
  Top w0.2: v4(48.33,49.4) 48.41,49.4 49.31,48.5 Module1.35 ; v4(46.88,50.22) 46.5,50.6 46.5,53.08 T7.1
  Bottom w0.2: v4(46.88,50.22) 47.5,50.22 v4(48.33,49.4)
Net-(Module1-Pad36): length 14.2
  Top w0.2: v4(51.15,52.2) 51.15,51.76 51.9,51.01 51.9,48.87 52.27,48.5 Module1.36 ; T1.1 44.9,52.17 v4(44.9,51.47)
  Bottom w0.2: v4(51.15,52.2) 50.97,52.02 48.63,52.02 48.12,52.53 45.95,52.53 v4(44.9,51.47)
Net-(Module1-Pad92): length 30.9
  Top w0.2: v4(36.32,18.23) 36.32,18 T3.1 ; Module1.92 52.97,37.3 v4(52.58,37.69)
  Bottom w0.2: v4(52.58,37.69) 52.07,37.69 51.69,37.31 48.66,37.31 36.32,24.97 v4(36.32,18.23)
Net-(Module1-Pad94): length 29.3
  Top w0.2: Module1.94 52.65,36.9 v4(52.53,37.03) ; v4(37.29,18.23) 37.29,17.01 T4.1
  Bottom w0.2: v4(37.29,18.23) 37.29,25.34 48.85,36.9 52.4,36.9 v4(52.53,37.03)
Net-(Module1-Pad96): length 27.8
  Top w0.2: v4(40.34,18.18) 40.34,18.06 T5.1 ; v4(52.53,36.37) 52.66,36.5 Module1.96
  Bottom w0.2: v4(40.34,18.18) 40.34,27.79 48.3,35.75 51.65,35.75 52.27,36.37 v4(52.53,36.37)
Net-(Module1-Pad100): length 28
  Top w0.2: v1(42.77,18.08) 42.75,18.08 41.65,16.97 T6.1 ; Module1.100 52.6,35.7 v1(52.54,35.64)
  Bottom w0.2: v1(52.54,35.64) 51.45,34.55 47.75,34.55 41.1,27.9 41.1,19.76 v1(42.77,18.08)
Net-(Q1-Pad4): length 3.1
  Top w0.3: R9.1 59.53,24.15 Q1.4
  Top w0.4: Q1.4 59.36,22.84 U3.3
Net-(Q2-Pad4): length 3.1
  Top w0.4: R10.1 67.91,24.15 Q2.4 67.74,22.79 67.72,22.78
Net-(R1-Pad2): length 21.3
  Top w0.25: U101.6 24.85,74.94 23.84,75.95 21.1,75.95 v1(20.15,76.9) 20.15,77.7 19.65,78.2 ; v1(21.35,88.3) 21.39,88.26 R101.2
  Bottom w0.25: v1(20.15,76.9) 20.15,87.1 v1(21.35,88.3)
Net-(R2-Pad2): length 17.7
  Top w0.25: 18,78.2 18,77.45 19.5,75.95 v1(20.2,75.95) 20.65,75.5 23.65,75.5 24.15,75 U101.7 ; R102.2 21.39,83.46 v1(21.4,83.45)
  Bottom w0.25: v1(21.4,83.45) 20.8,82.85 20.8,76.55 v1(20.2,75.95)
Net-(R7-Pad1): length 1.8
  Top w0.4: R7.1 60.38,22.15 U3.2
Net-(R8-Pad1): length 1.7
  Top w0.4: R8.1 68.72,22.12 67.72,22.12
Net-(R12-Pad2): length 2.8
  Top w0.2: 56.58,10.14 55.85,10.14 55.19,10.8 U5.8
Net-(R13-Pad2): length 2.8
  Top w0.2: 71.17,10.14 70.28,10.14 69.62,10.8 U6.8
Net-(R25-Pad2): length 6.9
  Top w0.2: R26.1 83.26,30.02 82.33,29.09 R25.2 81.18,29.05 80,29.05 79.6,28.65 79.04,28.65 U12.8
Net-(R26-Pad2): length 1.3
  Top w0.2: R26.2 R27.1
Net-(R28-Pad2): length 4.1
  Top w0.2: U12.9 79.25,29.15 79.6,29.15 80.59,30.14 R28.2
Net-(T8-Pad1): length 13.6
  Top w0.125: v1(55.02,82.65) 55.42,82.24 60.15,82.24 60.7,82.79 U7.5
  Top w0.2: T8.1 50.34,80.56 v1(50.19,80.72)
  In2.Cu w0.2: v1(55.02,82.65) 52.12,82.65 v1(50.19,80.72)
Net-(T9-Pad1): length 15.8
  Top w0.125: v1(55.02,81.58) 55.37,81.93 60.2,81.93 60.55,82.29 61.02,82.29 61.5,82.77 U7.6
  Top w0.2: T9.1 50.55,78.78 50.55,79.55 v1(50.19,79.9)
  In2.Cu w0.2: v1(50.19,79.9) 51.11,79.9 52.78,81.58 v1(55.02,81.58)
Net-(T10-Pad1): length 5.1
  Top w0.2: T10.1 76.36,86.76 v1(76.3,86.7) ; v1(73.66,86.2) 73.26,86.6 U7.22
  In2.Cu w0.2: v1(73.66,86.2) 75.8,86.2 v1(76.3,86.7)
Net-(T11-Pad1): length 5.7
  Top w0.2: U7.23 73.08,87.4 v1(73.76,88.08) ; T11.1 76.35,89.15 v1(76,89.15)
  In2.Cu w0.2: v1(76,89.15) 74.83,89.15 v1(73.76,88.08)
Net-(TP1-Pad1): length 5.8
  Top w0.25: TP101.1 18.89,69.29 v1(19.02,69.42) ; U101.20 22.15,69.25 v1(21.87,68.98)
  Bottom w0.25: v1(21.87,68.98) 19.46,68.98 v1(19.02,69.42)
unconnected-(U2-Pad5): length 0.8
  Top w0.3: U2.5 U2.5
unconnected-(U11-Pad5): length 0.8
  Top w0.2: 44.4,47.67 U11.5

## Copper pours and planes (outline as drawn; the poured copper is in the pictures)
+3V7 on Top: 53,88.5 56.65,88.5 56.65,86.25 53,86.25 53,85.5 50.9,85.5 50.9,91.1 53,91.1
+3V7 on Top: 73.55,8.2 70.95,8.2 70.95,9.3 71.9,9.3 71.9,10.65 73.55,10.65
+3V7 on Top: 73.95,21.75 73.95,18 60.73,18 60.73,20.25 71.55,20.25 71.55,21.75
+5V on Top: 59.1,9.8 59.1,8.15 56.5,8.15 56.5,9.25 57.7,9.25 57.7,10.6 59.6,10.6 59.6,9.8
+5V on Top: 50.8,37.95 49.8,37.95 49.6,37.75 49.6,35.65 57.2,28.08 57.2,24.1 55.55,24.1 55.55,25.8 47.5,33.85 47.5,38.9 48.8,40.25 50.8,40.25
+5V on Top: 59.75,18 47.6,18 47.6,20.28 55.52,20.23 55.55,24.9 56.58,24.91 58.97,24.91 58.97,22.62 56.84,22.62 56.84,20.25 59.75,20.25
/Power and input connector/Vin on Top: 67.3,23.8 63.62,23.8 63.62,24.9 67.3,24.9
/Power and input connector/Vin on Top: 62.1,6.6 59.9,6.6 59.9,10.45 62.1,10.45
/Power and input connector/Vin on Top: 62.25,7.25 63.15,6.35 73.25,6.35 73.95,7.05 73.95,9.7 76.45,9.7 76.45,8.45 79.9,5.05 82.75,5.05 84.63,6.55 86.97,6.55 86.97,5.2 85.2,3.45 84.1,3.45 83.7,3.85 77.25,3.85 76.05,5.05 61.35,5.05 59.85,6.55 59.85,10.55 62.25,10.55
/Power and input connector/VIN_DCDC_3V7 on Top: 77.95,11.15 77.95,10.45 73.95,10.45 73.95,11.3 71,11.3 70.65,11.68 68.46,11.68 68.46,11.93 69.7,11.93 69.7,12.6 76.5,12.6
/Power and input connector/VIN_DCDC_3V7 on Top: 65.95,11.95 67.2,11.95 67.2,11.65 65.95,11.65 65.95,11.4 64.45,11.4 64.45,9.2 62.65,9.2 62.65,12.6 65.95,12.6
/Power and input connector/VIN_DCDC_3V7 on Bottom: 72.15,11.3 64.61,11.3 64.61,9.21 62.61,9.21 62.61,12.71 66.35,12.7 66.35,13.35 69.15,13.35 69.15,12.7 72.15,12.7
/Power and input connector/VIN_DCDC_5 on Top: 51.35,11.95 52.6,11.95 52.6,11.65 51.35,11.65 51.35,11.4 49.85,11.4 49.85,11.18 48.05,11.18 48.05,11.4 46.75,11.4 46.75,12.6 51.35,12.6
/Power and input connector/VIN_DCDC_5 on Top: 62.36,11.37 56.24,11.37 56.24,11.68 53.7,11.68 53.7,11.93 54.92,11.93 54.92,12.59 60.9,12.6 60.9,13.95 62.35,13.95 62.36,12.59
/Power and input connector/VIN_DCDC_5 on Bottom: 57.55,11.3 46.65,11.3 46.65,12.7 51.75,12.7 51.75,13.35 54.55,13.35 54.55,12.7 57.55,12.7
GND on Top, Bottom, In1.Cu, In2.Cu: 91.85,110.6 92.15,-1.9 -1.98,-1.9 -1.98,110.6
/Power and input connector/SW_3V7 on Top: 68.45,13.5 67.95,13.5 67.95,12.3 67.55,12.3 67.55,13.5 67.05,13.5 67.05,15.7 68.45,15.7
/Power and input connector/SW_5V2 on Top: 53.85,13.5 53.35,13.5 53.35,12.3 52.95,12.3 52.95,13.5 52.45,13.5 52.45,15.7 53.85,15.7
Net-(C7-Pad2) on Top: 52.59,8.99 52.01,8.41 52.05,7.15 50.75,7.15 50.75,8.5 51.1,8.5 51.95,9.35 51.95,10.3 52.6,10.3
Net-(C8-Pad2) on Top: 67.2,9.25 66.35,8.4 66.35,7.15 64.85,7.15 64.85,8.5 65.7,8.5 66.55,9.35 66.55,10.3 67.2,10.3
Net-(C11-Pad2) on Top: 56.15,8.1 59.05,8.1 59.05,6.7 54.88,6.67 54.88,9.39 53.65,9.39 53.65,10.3 55.15,10.3 56.15,9.3
Net-(C12-Pad2) on Top: 70.75,8.1 73.65,8.1 73.65,6.7 69.48,6.71 69.48,9.39 68.25,9.39 68.25,10.3 69.75,10.3 70.75,9.3
Net-(C44-Pad1) on Top: 62.1,14.45 60.55,14.45 60.55,13.05 59.4,13.05 59.4,15.6 62.1,15.6

## Text on the board
F.Silkscreen: 7 | 5 | 3 | 1 | J1 | J9 | safeacoustics-main-r2 / Monad 2021 | safeacoustics-mic-r2 | safeacoustics-led-r2 / Monad 2021 | Power | Activity | Transmit | User
